# KiCad board st251n_20603.kicad_pcb (continued)
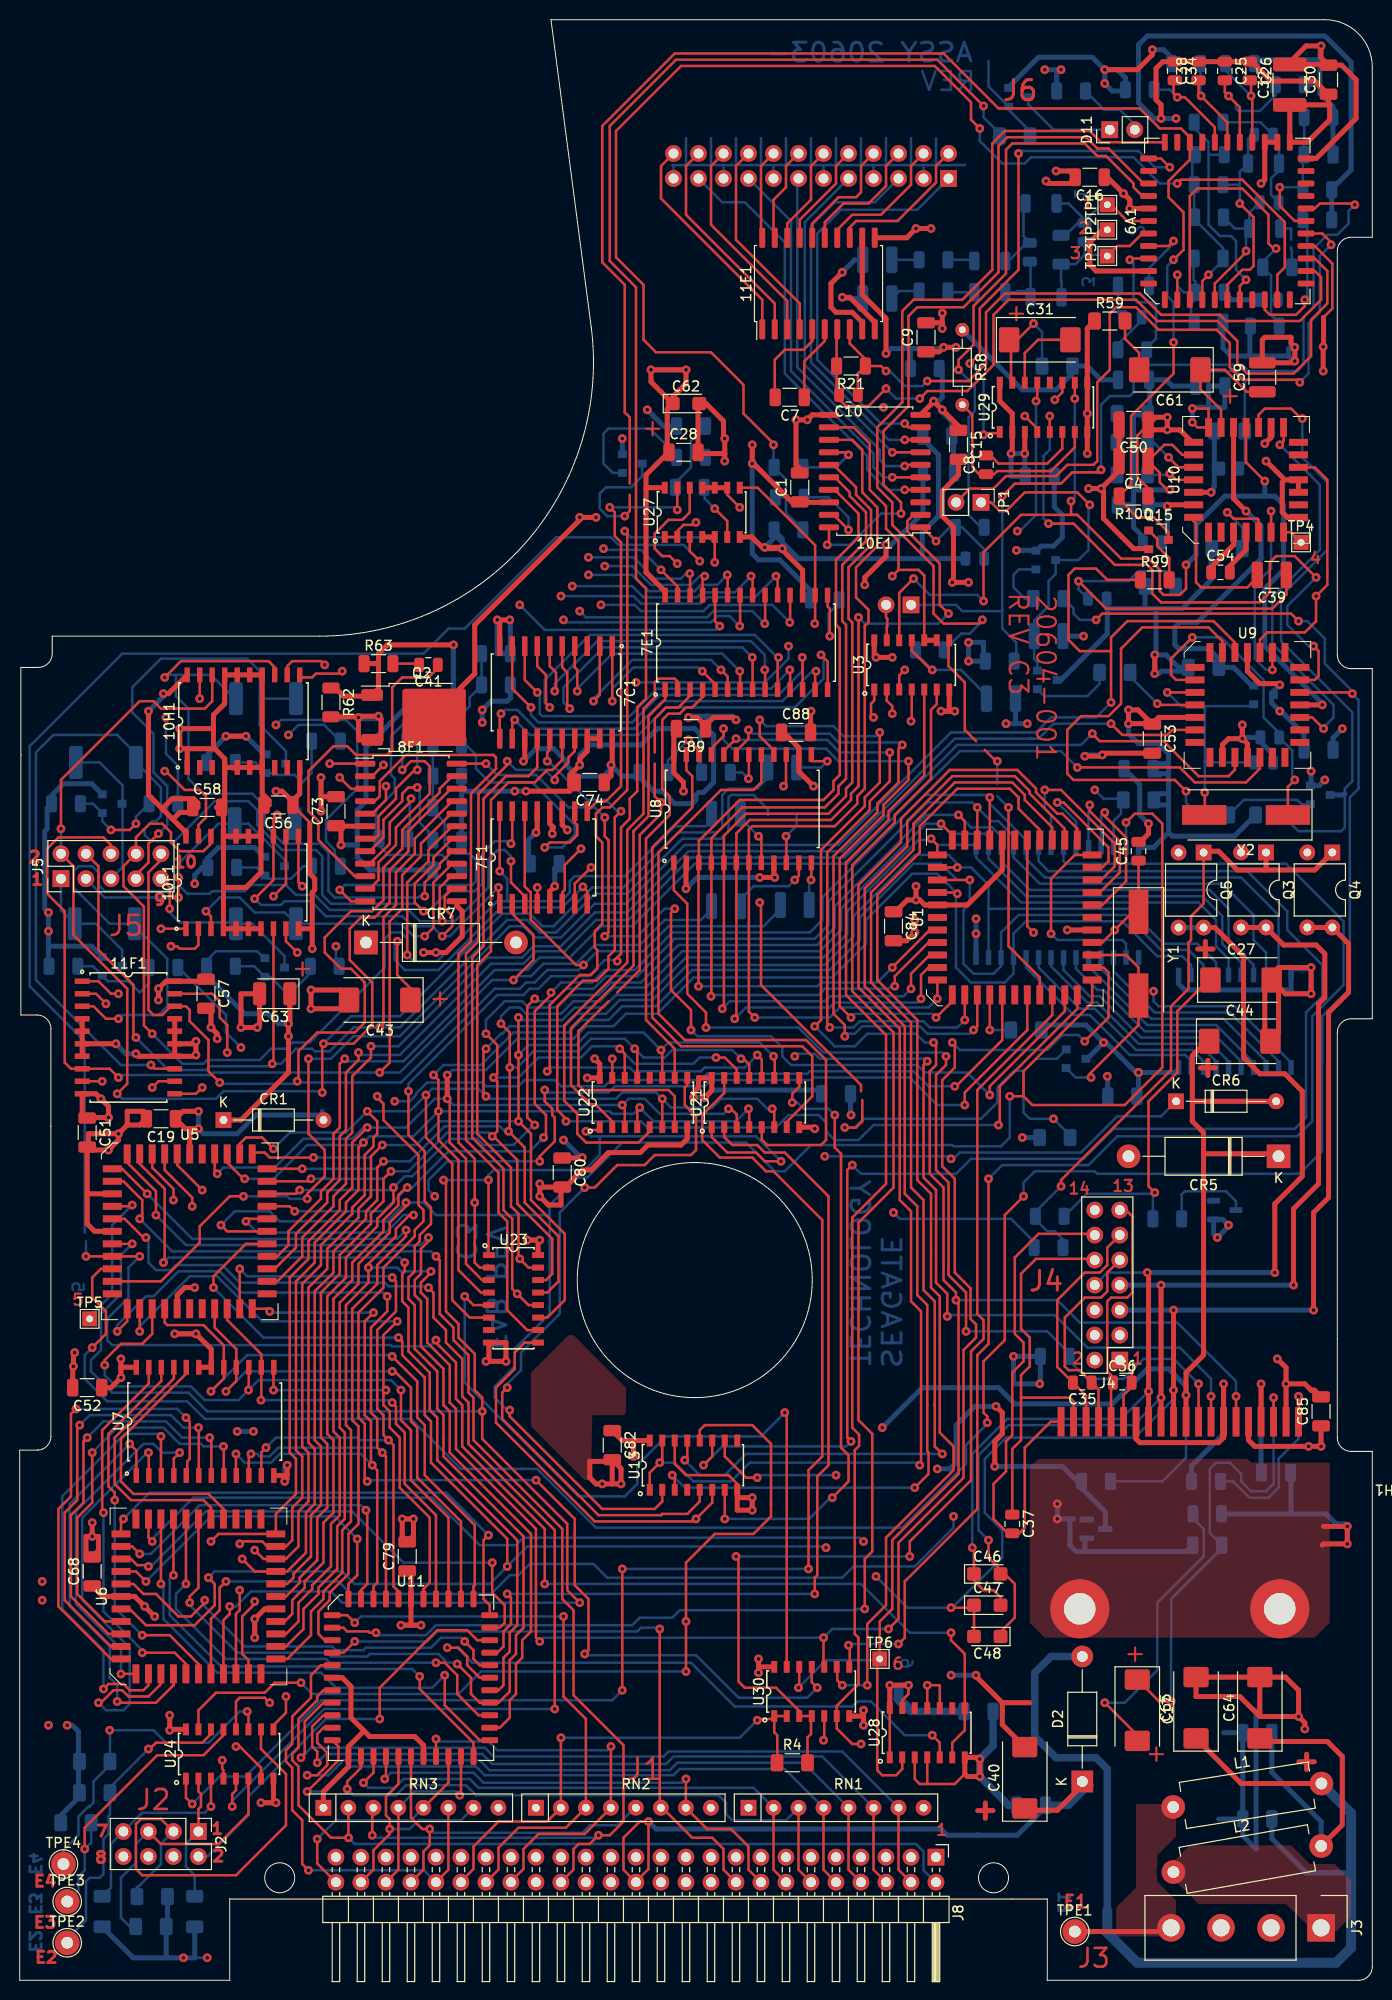
[diagram p0: board, top side]
## Routing (per net, layer and track width the routed paths; a pad name or vN(x,y) marks a point on that pad's centre or on a via; arc(x,y) is an arc through that point) (continued)
Net-(7F1-VREF): length 45.7
  Top w0.254: 7F1.10 56.39,117.6 56.64,117.35 56.64,116.33 55.88,115.57 53.85,115.57 v1(53.34,115.06) ; 8F1.7 36.07,115.95 36.45,116.33 36.45,118.24 38.23,120.02 38.23,121.03 40.13,122.94 v1(40.39,122.94)
  Bottom w0.254: v1(40.39,122.94) 40.39,126.87 40.64,127.13 43.69,127.13 46.36,124.46 46.36,123.06 47.75,121.67 52.07,121.67 56.39,117.35 56.39,116.33 55.12,115.06 v1(53.34,115.06)
Net-(8F1-COMP): length 35.9
  Top w0.254: 8F1.10 34.04,112.14 30.35,115.82 30.35,117.73 29.34,118.75 29.34,122.81 31.88,125.35 33.27,125.35 34.16,124.46 37.34,124.46 37.85,124.97 37.85,131.32 38.86,132.33 41.53,132.33 42.48,133.28 C41.1
Net-(8F1-DAC_SET): length 15.4
  Top w0.254: 8F1.8 35.56,114.68 36.96,116.08 36.96,117.86 38.86,119.76 38.86,120.52 39.5,121.16 v1(40.39,121.16)
  Bottom w0.254: R57.2 41.97,116.27 40.64,117.6 40.64,120.9 v1(40.39,121.16)
Net-(8F1-DRV): length 13
  Top w0.254: v1(39.75,120.02) 39.75,119.76 37.59,117.6 37.59,115.44 35.56,113.41 8F1.9
  Bottom w0.254: R79.2 39.44,117.03 39.62,117.22 39.62,119.89 v1(39.75,120.02)
Net-(8F1-FB): length 36.3
  Top w0.254: v1(38.86,122.94) 39.75,123.83 41.15,123.83 41.66,123.32 41.66,120.52 38.23,117.09 38.23,115.32 36.46,113.55 36.46,111.77 35.56,110.87 8F1.11
  Bottom w0.254: R60.2 R52.2 46.92,131.51 45.72,130.3 45.72,129.41 44.07,127.76 40.13,127.76 38.86,126.49 v1(38.86,122.94)
Net-(8F1-RING_SET): length 33.8
  Top w0.254: v1(32.51,110.74) 33.66,109.6 8F1.12
  Bottom w0.254: R56.1 41.97,119.14 C60.2 41.96,118.82 43.18,117.6 43.18,115.44 44.2,114.43 45.72,114.43 46.36,113.79 46.36,111.63 45.97,111.25 33.02,111.25 v1(32.51,110.74)
Net-(10E1-IWR1): length 9.2
  Top w0.254: 10E1.19 82.68,148.84 v1(84.2,147.32)
  Bottom w0.254: v1(84.2,147.32) 84.2,148.59 82.17,150.62 79.88,150.62 79.76,150.75
Net-(10E1-IWR2): length 7.2
  Top w0.254: 10E1.14 83.95,155.19 v1(84.2,154.94)
  Bottom w0.254: v1(84.2,154.94) 82.93,153.67 R1.1
Net-(10E1-VCTAP): length 9.5
  Top w0.254: 10E1.1 91.69,147.57 v1(93.09,146.18)
  Bottom w0.254: C3.2 97.98,145.35 95.76,147.57 R9.2 94.49,147.57 v1(93.09,146.18)
Net-(10E1-VHS): length 73.9
  Top w0.254: v1(89.53,148.97) 89.53,150.11 87.76,151.89 87.76,157.35 90.3,159.89 90.3,169.04 91.19,169.93 95.89,169.93 99.44,173.48 99.44,186.31 100.33,187.2 108.33,187.2 109.47,186.06 110.62,186.06 114.17,182.5 6A1.42 ; v1(82.04,145.8) 82.22,145.97 10E1.20
  Bottom w0.254: v1(82.04,145.8) 84.33,145.8 87.5,148.97 v1(89.53,148.97)
Net-(11E1-12V): length 25.4
  Top w0.508: C9.1 93.39,165.4 v1(93.85,165.86) v1(95.12,165.86) ; v1(88.01,165.23) 88.01,168.78 85.6,171.2 11E1.12
  Bottom w0.508: 90.42,165.74 93.73,165.74 v1(93.85,165.86) v1(95.12,165.86) ; 90.42,165.74 88.52,165.74 v1(88.01,165.23) ; 90.42,165.74 90.49,165.67 R1B1.2
Net-(11E1-DI+): length 67.8
  Top w0.254: R21.1 85.92,164.65 84.33,166.24 11E1.8 ; R21.1 87.5,163.96 v1(88.01,163.45) ; R21.1 85.15,163.19 C10.1 ; 6A1.19 131.57,173.61 132.21,172.97 132.21,170.69 130.05,168.53 122.56,168.53 121.92,169.16 115.95,169.16 113.79,171.32 100.08,171.32 98.17,169.42 98.17,164.21 96.39,162.43 v1(92.2,162.43)
  Bottom w0.254: v1(88.01,163.45) 88.39,163.45 89.92,161.93 91.69,161.93 v1(92.2,162.43)
Net-(11E1-DI-): length 80.9
  Top w0.254: 130.68,174.88 131.57,174.88 132.84,173.61 132.84,170.31 131.19,168.66 131.19,164.97 129.41,163.19 124.71,163.19 123.7,164.21 123.7,166.5 121.67,168.53 115.57,168.53 113.41,170.69 100.46,170.69 98.93,169.16 98.93,164.08 96.27,161.42 92.2,161.42 v1(91.44,160.66) ; v1(88.01,161.67) 86.23,159.89 83.95,159.89 83.25,160.59 C10.2 82.99,161.29 R21.2 82.99,167.62 11E1.7
  Bottom w0.254: v1(91.44,160.66) 89.03,160.66 v1(88.01,161.67)
Net-(11E1-DO+): length 7.2
  Top w0.508: 11E1.10 86.87,168.4 84.33,170.94 v1(83.57,170.94)
  Bottom w0.508: C12.1 83.69,170.81 v1(83.57,170.94)
Net-(11E1-DO-): length 11.2
  Top w0.508: 11E1.9 85.6,168.4 84.58,169.42 82.93,169.42 82.42,169.93 82.42,172.34 v1(83.57,173.48)
  Bottom w0.508: v1(83.57,173.48) 84.84,174.75 C11.1
Net-(11E1-GAIN+): length 7.8
  Top w0.254: 79.71,160.78 79.71,164.42 81.79,166.5 11E1.6
Net-(11E1-GAIN-): length 9.6
  Top w0.254: C7.2 76.71,160.83 76.71,164.59 77.72,165.61 79.63,165.61 80.52,166.5 11E1.5
Net-(11E1-HD1+): length 13.9
  Top w0.254: J6.4 90.55,184.28 90.55,182.37 87.5,179.32 84.58,179.32 83.06,177.8 11E1.14
Net-(11E1-HD1-): length 15.2
  Top w0.254: 11E1.13 84.33,178.05 84.96,178.69 89.17,178.69 93.09,182.61 93.09,184.28 J6.2
Net-(11E1-HD2+): length 12.2
  Top w0.254: J6.8 85.47,184.28 85.47,181.61 84.96,181.1 83.19,181.1 80.52,178.44 11E1.16
Net-(11E1-HD2-): length 13.1
  Top w0.254: J6.6 88.01,184.28 88.01,182.25 86.23,180.47 83.69,180.47 81.79,178.56 11E1.15
Net-(11E1-HD3+): length 10.1
  Top w0.254: J6.12 80.39,184.28 80.39,180.85 77.98,178.44 11E1.18
Net-(11E1-HD3-): length 10.6
  Top w0.254: J6.10 82.93,184.28 82.93,182.5 79.25,178.82 11E1.17
Net-(11E1-HD4+): length 9.1
  Top w0.254: J6.16 75.31,184.28 75.31,177.12 11E1.20
Net-(11E1-HD4-): length 9.7
  Top w0.254: 11E1.19 76.58,177.12 76.58,180.85 77.85,182.12 77.85,184.28 79.12,185.55
Net-(11E1-HD6+): length 22.6
  Top w0.254: 11E1.1 75.44,170.69 65.15,180.98 65.15,184.28 J6.24
Net-(11E1-HD6-): length 22.1
  Top w0.254: 11E1.2 76.71,170.31 67.69,179.32 67.69,184.28 68.96,185.55
Net-(C5-Pad1): length 13.8
  Top w0.254: U3.11 90.62,135.06 92.58,133.1 v1(92.71,133.1)
  Bottom w0.254: 98.35,130.05 98.35,130.38 95.63,133.1 v1(92.71,133.1) 90.99,134.81 R8.1
Net-(C11-Pad2): length 2.8
  Bottom w0.254: R22.2 C11.2
Net-(C12-Pad2): length 3.1
  Bottom w0.254: C12.2 89.36,171.58 R23.2
Net-(C13-Pad1): length 7.6
  Bottom w0.254: 100.13,174.62 100.46,174.62 102.3,176.46 C13.1 102.62,176.53 101.98,177.17 101.98,180.26 L6.1
Net-(C13-Pad2): length 6.6
  Bottom w0.254: C13.2 102.69,174.49 L7.1 102.69,170.99 102.11,171.58 101.35,171.58 101.22,171.45 100.13,171.45
Net-(C17-Pad2): length 30.2
  Top w0.254: v1(110.24,28.19) 113.54,24.89 C17.2
  Bottom w0.254: R49.2 119.19,46.93 120.27,45.85 120.27,43.05 115.57,38.35 115.57,31.5 112.27,28.19 v1(110.24,28.19)
Net-(C20-Pad1): length 3.4
  Bottom w0.254: C20.1 111.58,169.41 L8.2
Net-(C20-Pad2): length 4.1
  Bottom w0.254: 114.05,168.66 111.57,166.18 R25.2
Net-(C21-Pad1): length 3.9
  Bottom w0.508: C21.1 123.13,170.69 R28.2
Net-(C27-Pad1): length 37.5
  Top w0.254: v1(115.32,80.01) 114.68,80.65 114.68,89.28 117.6,92.2 117.6,98.43 120.78,101.6 C27.1
  Bottom w0.254: R65.2 108.4,79.88 115.19,79.88 v1(115.32,80.01) 115.12,79.82 R69.1
Net-(C39-Pad1): length 38.3
  Top w0.254: C39.1 128.68,140.75 127.25,139.32 110.36,139.32 v1(107.57,142.11)
  Bottom w0.254: C42.1 107.57,141.29 v1(107.57,142.11) 112.65,142.11 113.66,143.13 116.46,143.13 117.43,142.16 R48.1
Net-(C41-Pad2): length 2.7
  Top w0.254: R63.2 40.45,133.73 40.58,133.6
Net-(C61-Pad2): length 5.5
  Top w0.254: R59.2 112.29,166.73 113.73,165.29 C61.2
Net-(C67-Pad2): length 14.8
  Bottom w0.254: 127.89,179.83 127.88,179.84 C76.1 127.13,181.35 127.13,183.01 127.94,183.82 L10.2 127.94,186.83 C67.2 ; R31.2 126.04,188.72 C67.2 ; C67.2 127.76,187.45 127.94,187.27
Net-(C72-Pad1): length 8.9
  Bottom w0.254: 68.2,154.69 68.2,156.39 C72.1 ; 68.2,154.69 R78.1 ; 68.2,154.69 68.2,153.67 66.67,152.14 66.67,151.64
Net-(D1-K): length 9.4
  Bottom w0.254: R69.2 118.05,79.82 118.36,80.14 122.56,80.14 123.57,79.13 D1.3
Net-(D11-A): length 7
  Bottom w0.254: R84.1 110.11,190.06 110.11,189.99 111.76,189.99 113.28,188.47 D11.2
Net-(D11-K): length 10.1
  Bottom w0.254: Q13.3 102.47,190.52 105.03,187.96 D11.1
Net-(J2-Pin_1): length 13.1
  Top w0.254: 18.16,15.12 18.16,15.12 18.16,17.4 18.41,17.65 18.41,18.92 18.16,19.18 U24.2
  Bottom w0.254: 18.16,15.12 16.89,13.85 16.89,11.56 17.78,10.67 R86.1
Net-(J2-Pin_3): length 46.6
  Top w0.254: J2.3 14.35,16.38 12.32,16.38 11.81,15.88 11.81,11.3 12.45,10.67 21.97,10.67 27.05,15.75 27.05,20.96 24.51,23.5 24.51,25.49
  Bottom w0.254: J2.3 14.35,13.86 14.35,11.81 11.91,9.37 R88.1 11.91,9.5
Net-(J2-Pin_5): length 27.3
  Top w0.254: U24.6 23.24,16.89 20.19,13.84 14.35,13.84 J2.5
  Bottom w0.254: J2.5 13.07,15.1 11.81,13.84 11.81,11.94 10.29,10.41 10.29,6.35 11.18,5.46 R89.1
Net-(J2-Pin_7): length 20.3
  Top w0.254: 19.43,20.49 v1(19.43,17.65)
  Bottom w0.254: v1(19.43,17.65) 18.8,17.02 12.43,17.02 J2.7 9.27,13.86 9.27,9.42 R90.1
Net-(J3-Pin_4): length 9.9
  Top w0.508: 116.97,5.33 116.59,4.95 TPE1.1
Net-(J5-Pin_1): length 12.7
  Bottom w0.254: J5.1 4.19,108.71 R68.2 7.75,107.32 10.41,104.65 10.41,103.01 Q8.3
Net-(J5-Pin_3): length 28.2
  Top w0.254: v1(16.13,109.98) v1(16.13,112.01)
  Bottom w0.254: Q9.3 26.91,113.81 23.24,117.48 R68B1.2 20.19,117.48 16.13,113.41 v1(16.13,112.01) ; v1(16.13,109.98) 8.64,109.98 J5.3
Net-(J5-Pin_5): length 15.7
  Bottom w0.254: J5.5 10.45,113.07 10.45,121.37 8.13,123.7 R67.2
Net-(J5-Pin_7): length 51.2
  Top w0.254: v1(14.1,116.46) 13.08,115.44 13.08,113.54 11.81,112.27 J5.7
  Bottom w0.254: Q11.3 27.05,123.59 27.05,124.84 24.38,127.51 24.38,130.3 ; R81.2 24.51,130.18 24.38,130.3 ; 24.38,130.3 24.38,132.97 23.11,134.24 14.35,134.24 11.43,131.32 11.43,128.78 13.59,126.62 13.59,122.68 14.99,121.29 14.99,117.35 v1(14.1,116.46)
Net-(J5-Pin_9): length 18.5
  Top w0.254: J5.9 15.24,111 v1(15.24,108.84)
  Bottom w0.254: Q12.3 26.91,104.03 23.62,107.32 R67B1.2 21.84,107.44 16.26,107.44 15.24,108.46 v1(15.24,108.84)
Net-(J6-Pin_18): length 21.1
  Top w0.254: J6.18 72.77,184.28 72.77,176.78 79.25,170.31 11E1.4
Net-(J6-Pin_20): length 21.6
  Top w0.254: J6.20 70.23,184.28 70.23,178.31 77.98,170.56 11E1.3
Net-(JP2-B): length 3.7
  Top w0.254: U3.13 88.08,137.49 88.14,137.54 88.14,138.3 88.02,138.43 JP2.2
Net-(L4-Pad1): length 2.7
  Bottom w0.254: L4.1 96.85,174.75 R22.1
Net-(L5-Pad1): length 2.7
  Bottom w0.254: R23.1 94.43,171.45 L5.1
Net-(Q1-B): length 26.9
  Bottom w0.254: R61.2 44.45,112.78 42.93,114.3 37.47,114.3 36.51,115.25 R79.1 36.2,116.27 36.2,118.87 38.1,120.78 38.1,122.05 37.72,122.43 37.72,126.37 40.07,128.72 Q1.1
Net-(Q1-C): length 24.5
  Top w0.508: R62.1 32.07,131.26 32.89,130.43 35.68,130.43 36.45,131.19 36.45,133.73 ; v1(44.07,135.64) 37.34,135.64 36.45,134.75 36.45,133.73 ; R63.1 36.45,133.73
  Bottom w0.508: Q1.3 44.05,135.62 v1(44.07,135.64)
Net-(Q3-G): length 65.2
  Top w0.254: Q5.1 120.27,109.35 119,108.08 119,105.66 118.75,105.41 118.75,100.71 116.97,98.93 116.97,92.46 105.79,81.28 v1(105.79,80.65)
  Top w0.508: Q4.1 131.57,112.78 126.62,112.78 ; Q3.1 126.62,112.78 ; 126.62,112.78 123.7,112.78 121.79,114.68 120.41,114.68 Q5.1
  Bottom w0.254: R66.2 105.98,75.25 105.16,76.07 104.39,76.07 103.19,77.28 R65.1 103.19,78.04 v1(105.79,80.65)
Net-(Q6-B): length 9.2
  Bottom w0.254: R70.1 124.36,119.89 129.79,119.89 130.24,119.45 131.19,119.45
Net-(Q6-C): length 62.9
  Top w0.254: v1(130.3,158.62) 130.18,158.62 129.16,159.64 126.49,159.64 125.86,159 U10.21
  Bottom w0.254: v1(130.3,158.62) 130.3,154.69 132.84,152.15 132.84,145.29 128.14,140.59 128.14,136.02 135.38,128.78 135.38,121.79 134.62,121.03 134.62,117.09 134.24,116.71 129.92,116.71 128.65,117.98 R64.2
  Bottom w0.508: 133.07,120.4 134.49,120.4 134.62,120.52
Net-(Q7-B): length 28.3
  Top w0.254: v1(120.4,120.65) 120.4,118.42 Y2.2 ; U9.7 v1(116.59,130.81)
  Bottom w0.254: 120.4,123.83 v1(120.4,120.65) ; 120.4,123.83 120.4,129.41 ; 120.4,123.83 120.52,123.7 C69.1 ; 125.3,129.61 125.11,129.41 120.4,129.41 ; 120.4,129.41 117.98,129.41 v1(116.59,130.81)
Net-(Q8-B): length 10.3
  Bottom w0.254: R14.2 7.45,103 Q8.1 8.97,101.47 11.05,101.47 12.19,100.33 13.14,101.28 R15.2
Net-(Q9-B): length 8.6
  Bottom w0.254: R17.2 24.09,113.03 Q9.1 25.23,111.89 27.56,111.89 28.83,113.16 R16.2
Net-(Q10-B): length 10.1
  Top w0.254: v1(9.27,116.84) 11.18,116.84 v1(11.81,117.48)
  Bottom w0.254: R20.2 7.45,119.51 Q10.1 8.4,117.71 v1(9.27,116.84) ; v1(11.81,117.48) 11.81,118.18 R18.2
Net-(Q11-B): length 12.2
  Bottom w0.254: R36.2 29.65,122.62 28.7,121.67 27.94,122.43 25.78,122.43 25.59,122.62 Q11.1 23.96,123.7 R37.2
Net-(Q12-B): length 10.2
  Bottom w0.254: R39.2 29.53,102.3 27.56,100.33 27.05,100.33 25.46,101.92 Q12.1 23.83,103 R38.2
Net-(Q13-B): length 9.4
  Bottom w0.254: 98.42,194.95 98.42,192.36 Q13.1 100.47,189.98 102.64,187.81 R76.2
Net-(Q14-B): length 21.4
  Top w0.254: U1.20 112.4,104.14 113.66,102.87 Y1.2 113.66,97.03 108.71,92.08 108.71,91.82
  Top w0.508: 108.71,91.82 v1(108.84,91.69)
  Bottom w0.254: 106.31,92.65 107.27,91.69 v1(108.84,91.69)
Net-(Q15-B): length 5.9
  Top w0.254: Q15.1 115.57,146.38 115.57,145.67 116.78,144.46 R99.2
Net-(Q16-B): length 6.3
  Bottom w0.254: Q16.1 101.52,143.3 100.97,142.75 100.97,141.48 102.11,140.34 R71.1
Net-(Q17-B): length 8.3
  Bottom w0.254: R73.1 109.7,131.67 108.46,130.43 104.09,130.43 Q17.1
Net-(Q18-B): length 14.3
  Bottom w0.254: Q18.1 60.26,153.1 59.31,154.05 59.31,157.1 59.82,157.61 64.01,157.61 66.74,154.88 R78.2
Net-(R43-Pad2): length 6.2
  Bottom w0.254: R45.2 R43.2
Net-(U1-XTAL1): length 11.2
  Top w0.254: C45.1 Y1.1 113.09,108.52 v1(111.25,106.68) 109.98,105.41 U1.21
Net-(U3-Pad5): length 116.8
  Top w0.254: v1(85.47,24) 84.58,24 83,25.58 U30.6 83,27.89 85.22,30.1 85.22,34.8 84.84,35.18 84.84,53.85 85.28,54.29 85.28,55.44 84.58,56.13 84.58,77.47 86.36,79.25 ; 86.36,79.25 86.23,79.12 ; 86.36,79.25 88.01,80.9 88.01,96.01 83.95,100.08 83.95,113.54 88.27,117.86 88.27,118.75 91.89,122.37 U3.5
Net-(U4-~{OE}): length 147.8
  Top w0.254: v1(84.2,34.04) 84.33,33.91 84.33,31.89 U30.8 ; v1(89.28,34.16) 89.92,34.8 89.92,40.51 97.28,47.88 97.28,63.5 98.42,64.64 v1(98.42,81.41)
  Bottom w0.254: v1(98.42,81.41) 99.82,82.8 108.59,82.8 111.51,85.73 129.79,85.73 131.32,87.25 131.32,97.92 134.49,101.09 134.49,107.57 128.65,113.41 106.3,113.41 106.04,113.67 U4.22 ; v1(84.2,34.04) 84.33,34.16 v1(89.28,34.16)
Net-(U5-OUTPUT): length 15.4
  Top w0.254: U5.10 11.3,78.61 v1(11.43,78.74)
  Bottom w0.254: TP5.1 7.11,67.44 9.4,69.72 9.4,76.71 v1(11.43,78.74)
Net-(U8-FOUR/~{TWO}): length 6.1
  Top w0.254: U8.22 69,124.93 v1(67.95,125.98)
  Bottom w0.254: v1(67.95,125.98) 65.85,123.89 R6.2
Net-(U8-IREF): length 4.6
  Top w0.254: v1(74.04,122.05) 74.08,122.08 U8.18
  Bottom w0.254: v1(74.04,122.05) 73.41,122.68 R7.1
Net-(U8-~{MOTA}): length 4.4
  Top w0.254: U8.12 80.43,111.8 v1(80.39,111.76)
  Bottom w0.254: v1(80.39,111.76) 80.2,111.57 R19.2
Net-(U8-~{MOTB}): length 5.6
  Top w0.254: U8.13 80.43,123.92 80.52,123.83 v1(82.04,123.83)
  Bottom w0.254: R33.2 81.41,123.19 v1(82.04,123.83)
Net-(U8-~{MOTC}): length 5.3
  Top w0.254: v1(77.85,116.21) 77.89,116.17 U8.10
  Bottom w0.254: v1(77.85,116.21) 78.93,117.29 78.93,118.36
Net-(U8-~{MOTD}): length 8.9
  Top w0.254: v1(78.74,111.76) 79.16,112.18 U8.11
  Bottom w0.254: v1(78.74,111.76) 78.11,111.12 74.55,111.12 73.22,109.79 R13.2
Net-(U8-~{MOTE}): length 5.9
  Top w0.254: U8.8 75.35,115.92 v1(75.06,116.21)
  Bottom w0.254: v1(75.06,116.21) 73.22,118.04 R10.2
Net-(U9-OSC_IN): length 31.7
  Top w0.254: v1(129.54,121.92) 128.84,121.22 Y2.1 ; v1(119.13,136.4) 116.97,134.24 116.97,132.59 117.47,132.08 U9.6
  Bottom w0.254: v1(129.54,121.92) 129.29,122.17 129.29,124.9 C49.1 127.95,126.69 126.37,128.27 126.37,132.08 122.05,136.4 v1(119.13,136.4)
Net-(U10-AVCC): length 53.8
  Top w0.254: v1(116.84,151.38) 116.59,151.38 115.82,152.15 115.82,153.11 C4.1 116.28,155.96 117.09,155.96 118.11,154.94 U10.27
  Bottom w0.254: C90.1 124.46,154.12 R74.1 124.46,162.56 123.57,163.45 121.02,163.45 C91.1
  Bottom w0.508: R47.1 113.16,149.86 ; 113.16,149.86 113.16,151.38 ; 113.16,149.86 113.16,147.57 114.11,146.62 C29.1 ; 113.16,151.38 113.16,159 114.81,159 114.81,162.48 L3.1 116.46,162.56 117.09,161.93 C91.1 ; 113.16,151.38 v1(116.84,151.38)
Net-(U10-C1): length 5
  Top w0.508: U10.7 123.32,145.8 121.04,143.52 C54.1
Net-(U10-C2): length 4.8
  Top w0.508: U10.8 124.59,145.29 122.94,143.64 C54.2
Net-(U10-CPOUT): length 13.8
  Top w0.254: C39.2 125.73,142.49 124.71,141.48 120.02,141.48 119.51,141.99 119.51,147.96 119.26,148.2 U10.4
Net-(U10-IBSET): length 8.8
  Top w0.508: v1(121.03,151.13) U10.2
  Bottom w0.508: R74.2 121.36,153.42 ; 121.36,153.42 121.49,153.54 C90.2 ; 121.36,153.42 121.36,151.71 121.28,151.64 121.28,151.38 v1(121.03,151.13)
Net-(U10-IRSET): length 8.7
  Top w0.508: v1(116.59,149.73) 116.71,149.86 U10.3
  Bottom w0.508: R47.2 116.46,149.86 v1(116.59,149.73) 116.59,146.43 116.21,146.05 C29.2
Net-(U10-PCT): length 2.2
  Top w0.254: U10.11 129.15,147.08 TP4.1
Net-(U10-PG2): length 5
  Top w0.254: U10.1 117.47,152.4 v1(116.84,153.04)
  Bottom w0.254: R43.1 116.71,152.91 v1(116.84,153.04)
Net-(U10-PG3): length 13.9
  Top w0.254: C59.1 124.66,161.34 122.43,163.58 C61.1 119.95,161.61 122.05,159.51 U10.24
Net-(U10-PG4): length 5.7
  Top w0.254: U10.28 117.73,153.67 v1(116.71,154.69)
  Bottom w0.254: R44.1 115.19,156.21 v1(116.71,154.69)
Net-(U10-RVCO): length 9.1
  Top w0.254: U10.9 125.86,148.34 125.74,148.45 123.33,148.45 v1(122.68,149.1)
  Bottom w0.254: v1(122.68,149.1) 124.21,147.57 R75.2
Net-(U11-~{OE}?): length 156.7
  Top w0.254: U3.6 93.16,129.61 92.58,129.03 92.58,122.05 88.9,118.36 88.9,117.6 84.58,113.28 84.58,100.46 88.77,96.27 88.77,80.52 86.68,78.42 ; 86.68,78.42 86.61,78.36 ; 86.68,78.42 85.22,76.96 85.22,56.9 86.61,55.5 86.61,43.56 85.85,42.8 v1(85.85,37.72) ; v1(36.2,35.31) 35.56,35.31 35.43,35.43 33.27,35.43 32.89,35.81 U11.8
  Bottom w0.254: v1(36.2,35.31) 36.45,35.05 41.28,35.05 42.29,36.07 62.23,36.07 62.99,36.83 66.29,36.83 67.06,37.59 84.96,37.59 85.09,37.72 v1(85.85,37.72)
Net-(U13-Q3b): length 92.5
  Top w0.254: 76.33,48.39 76.33,48.26 ; 76.33,48.39 76.33,54.48 74.42,56.39 69.6,56.39 69.09,55.88 U13.12 ; 76.33,48.39 76.33,47.12 74.55,45.34 70.61,45.34 67.69,42.42 v1(67.69,36.45) v1(67.69,31.37) ; v1(28.58,30.23) 25.91,30.23 24.89,29.21 19.94,29.21 18.16,27.43 U24.15
  Bottom w0.254: v1(28.58,30.23) 29.72,29.08 44.58,29.08 46.86,31.37 v1(67.69,31.37)
Net-(U21-Q4): length 100.5
  Top w0.254: v1(53.59,92.33) 53.85,92.58 53.85,99.06 56.9,102.11 58.04,102.11 58.67,102.74 58.67,104.65 58.42,104.9 58.42,106.55 59.18,107.32 59.18,115.57 58.55,116.21 58.55,118.49 59.18,119.13 59.94,119.13 61.72,120.9 61.72,146.94 v1(61.47,147.19) ; U21.12 75.38,93.53 v1(74.93,93.98) ; v1(70.61,144.02) U27.5
  Top w0.508: U27.4 U27.5
  Bottom w0.254: v1(61.47,147.19) 62.1,146.56 69.98,146.56 70.61,145.92 v1(70.61,144.02) ; v1(53.59,92.33) 53.97,92.71 61.98,92.71 62.36,92.33 69.22,92.33 69.6,92.71 73.66,92.71 v1(74.93,93.98)
Net-(U21-Q5): length 141.4
  Top w0.254: v1(80.14,41.78) 80.14,51.82 81.53,53.21 81.53,77.22 76.58,82.17 75.82,82.17 74.42,83.57 71.12,83.57 69.34,85.34 69.34,87.88 71.57,90.12 U21.15 ; v1(61.21,41.78) v1(61.21,29.46) ; v1(17.53,17.91) 16.89,18.54 U24.1
  Bottom w0.254: v1(61.21,29.46) 60.2,28.45 30.67,28.45 22.92,20.7 20.32,20.7 v1(17.53,17.91) ; v1(80.14,41.78) v1(61.21,41.78)
Net-(U23-Q1): length 79.4
  Top w0.254: U23.5 46.1,68.58 v1(45.21,69.47) ; v1(77.72,57.66) 77.92,57.46 U30.13
  Bottom w0.254: v1(45.21,69.47) 45.21,60.71 56.77,49.15 61.47,49.15 62.74,50.42 62.74,52.32 65.66,55.25 75.31,55.25 v1(77.72,57.66)
Net-(U24-I0c): length 31.1
  Top w0.254: 19.43,25.49 19.43,25.02 18.54,24.13 13.84,24.13 13.21,23.5 v1(13.08,23.5)
  Bottom w0.254: TPE2.1 4.83,4.19 6.73,6.1 6.73,10.03 7.11,10.41 8.13,10.41 8.51,10.8 8.51,14.35 9.02,14.86 9.02,16.64 9.17,16.79 R91.2 9.17,19.58 v1(13.08,23.5)
Net-(U24-I0d): length 33.3
  Top w0.254: U24.11 23.24,27.18 v1(23.11,27.31)
  Bottom w0.254: v1(23.11,27.31) 22.35,27.31 19.18,24.13 14.86,24.13 13.59,25.4 v1(9.14,25.4) 9.17,25.37 R93.2 9.17,21.87 7.49,20.19 7.49,18.03 7.11,17.65 6.98,17.65 5.97,16.64 5.97,14.73 4.45,13.21 TPE4.1
Net-(U24-I1c): length 29.8
  Top w0.254: v1(6.6,13.34) 6.6,15.49 13.97,22.86 18.67,22.86 20.7,24.89 U24.13
  Bottom w0.254: R92.2 7.27,14 v1(6.6,13.34) 6.6,11.18 5.97,10.54 5.97,9.14 TPE3.1
Net-(U27-Pad10): length 5.1
  Top w0.254: U27.9 71.88,150.88 v1(73.15,149.61)
  Top w0.508: U27.11 U27.9
Net-(U29A-Cext): length 7.7
  Top w0.254: 106.24,166.62 103.46,166.62 102.11,165.27 U29.14
Net-(U29A-RCext): length 12.8
  Top w0.254: 100.01,166.62 101.35,166.62 v1(103,168.28) ; U29.15 100.71,162.39 100.71,166.58 100.76,166.62
  Bottom w0.254: R40.2 103.86,167.41 v1(103,168.28)
Net-(U29B-Cext): length 10.4
  Top w0.254: U29.6 105.92,155.58 104.39,154.05 99.44,154.05 98.62,154.87 C8.2
Net-(U29B-RCext): length 20.2
  Top w0.254: U29.7 107.19,155.7 104.78,153.29 99.31,153.29 99,152.97 C8.1 97.47,152.97 96.77,153.67 96.77,159 R58.2
unconnected-(C24-Pad2): length 2.1
  Bottom w0.254: C24.2 129.24,175.69 129.16,175.77 129.16,176.02
unconnected-(L9-Pad2): length 3.4
  Bottom w0.254: 128.02,179.07 128.07,179.02 128.07,177.93 129.16,177.93 129.16,176.78
unconnected-(Q18-C-Pad3): length 13.1
  Top w0.254: v1(61.47,148.72) 61.98,149.23 61.98,150.88
  Bottom w0.254: Q18.3 63.23,152.77 62.1,151.64 59.56,151.64 58.93,151 58.93,149.48 59.69,148.72 v1(61.47,148.72)

## Copper pours and planes (outline as drawn; the poured copper is in the pictures)
+5V on In2.Cu: 17.4,106.05 17.4,92.2 12.19,92.2 6.98,97.41 6.98,98.81 11.68,98.81 11.68,103.38 14.35,106.05
+5V on In2.Cu: 110.24,24.89 36.07,24.89 32.26,28.7 27.69,28.7 27.18,29.21 27.18,38.35 22.1,43.43 18.54,43.43 10.16,51.82 10.16,56.9 14.73,61.47 14.73,68.83 17.27,71.37 17.27,79.5 26.16,79.5 29.97,83.31 29.97,88.9 33.53,88.9 48.01,103.38 48.01,113.54 55.12,113.54 55.12,119.13 45.97,119.13 45.97,124.97 36.58,124.97 33.02,121.41 31.5,121.41 31.5,134.87 33.78,134.87 35.56,135.13 36.32,135.38 38.35,135.89 41.4,136.91 45.47,137.92 54.61,147.07 62.23,147.07 62.99,146.3 62.99,134.62 64.26,133.35 64.26,120.9 66.8,118.36 66.8,113.54 74.68,105.66 82.04,105.66 88.9,98.81 88.9,80.77 91.44,78.23 91.44,68.07 92.2,67.31 92.2,56.39 93.98,54.61 93.98,47.5 96.52,44.96 98.04,44.96 103.63,39.37 103.63,34.54 104.14,34.04 109.47,34.04 110.24,33.27
+5V on In2.Cu: 132.59,197.87 133.86,197.36 134.62,196.6 135.64,195.33 135.89,194.56 135.89,178.31 133.86,178.31 132.59,177.04 132.59,134.37 132.84,133.35 133.6,132.33 134.43,131.83 135.38,131.57 135.89,131.57 135.89,99.06 134.62,99.06 132.84,97.28 132.84,54.1 134.62,52.32 135.64,52.32 135.64,1.27 105.16,1.27 105.16,9.14 102.36,9.14 102.11,9.4 102.11,13.46 101.6,13.97 96.52,13.97 96.01,13.46 96.01,9.14 28.96,9.14 28.96,13.21 28.7,13.46 23.88,13.46 23.37,12.95 23.37,9.14 20.83,9.14 20.32,8.64 20.32,1.02 1.52,1.02 1.52,14.99 15.24,14.99 17.53,17.27 43.94,17.27 45.47,18.8 49.28,18.8 50.8,17.27 67.06,17.27 68.33,18.54 71.63,18.54 73.15,17.02 89.15,17.02 90.68,18.54 92.2,18.54 93.98,16.76 103.38,16.76 106.68,13.46 117.86,13.46 120.9,10.41 132.33,10.41 134.11,12.19 134.11,15.49 132.59,17.02 128.78,17.02 119.38,26.42 119.38,43.18 124.97,48.77 124.97,55.88 128.27,55.88 128.78,56.39 128.78,63.75 120.65,63.75 120.65,57.4 100.08,57.4 100.08,80.01 112.52,80.01 114.81,82.3 114.81,84.33 109.98,89.15 102.11,89.15 102.11,94.74 111.51,104.14 111.51,113.03 106.17,118.36 101.09,118.36 91.19,108.46 88.65,108.46 88.65,118.62 75.44,118.62 71.88,122.17 71.88,132.59 76.2,136.91 87.12,136.91 87.38,137.16 87.38,142.24 86.36,143.26 77.47,143.26 77.47,148.59 72.39,153.67 72.39,157.73 72.01,158.12 72.01,166.24 59.18,166.24 55.12,197.36 55.63,197.87
+5V on In2.Cu: 16.26,22.86 22.1,22.86 26.92,27.69 24.89,27.69 24.89,39.37 22.86,41.4 17.53,41.4 11.43,47.5 10.67,47.5 10.67,36.83 14.48,33.02 14.48,24.64
+12V on In2.Cu: 131.57,10.92 121.41,10.92 118.36,13.97 106.93,13.97 102.87,18.03 93.73,18.03 92.46,19.3 90.42,19.3 89.15,18.03 72.9,18.03 71.88,19.05 68.07,19.05 67.06,18.03 50.8,18.03 49.53,19.3 41.15,19.3 39.88,18.03 16.76,18.03 14.22,15.49 1.52,15.49 1.52,53.09 2.29,53.09 3.81,54.61 3.81,64.01 4.57,64.77 4.57,84.07 20.32,84.07 25.15,88.9 25.15,92.2 37.85,104.9 37.85,109.22 35.56,111.51 26.42,111.51 26.42,115.82 30.99,120.4 33.02,120.4 36.83,124.21 45.21,124.21 45.21,118.36 54.61,118.36 54.61,114.3 47.24,114.3 47.24,103.89 33.02,89.66 29.97,89.66 28.96,88.65 28.96,83.57 25.91,80.52 14.99,80.52 14.22,79.76 14.22,71.12 12.45,69.34 12.45,62.23 8.13,57.91 8.13,50.8 9.65,49.28 9.65,36.07 13.21,32.51 13.21,24.13 15.75,21.59 23.62,21.59 29.72,27.69 31.5,27.69 35.56,23.62 111.51,23.62 111.51,33.53 98.81,46.23 97.28,46.23 95,48.51 95,54.86 93.22,56.64 93.22,68.07 92.46,68.83 92.46,78.49 89.66,81.28 89.66,99.06 82.3,106.43 74.93,106.43 67.31,114.05 67.31,119.38 64.77,121.92 64.77,133.86 63.5,135.13 63.5,146.3 62.23,147.57 54.61,147.57 56.39,150.11 57.91,153.42 59.18,157.48 59.18,165.86 71.63,165.86 71.63,157.99 72.14,157.48 72.14,153.42 76.71,148.84 76.71,142.49 85.85,142.49 86.61,141.73 86.61,137.67 75.44,137.67 71.12,133.35 71.12,121.67 75.18,117.6 87.88,117.6 87.88,107.44 91.44,107.44 101.6,117.6 106.17,117.6 111,112.78 111,104.9 101.09,95 101.09,88.39 109.73,88.39 114.05,84.07 114.05,83.06 112.01,81.03 99.31,81.03 99.31,56.64 121.41,56.64 121.41,62.99 127.76,62.99 127.76,56.9 123.95,56.9 123.95,49.28 118.62,43.94 118.62,25.91 128.27,16.26 132.08,16.26 133.35,14.99 133.35,12.7
+12VA on In2.Cu: 91.31,158.88 101.6,159 101.6,162.31 105.16,165.86 105.41,165.86 115.06,175.51 115.06,182.63 113.03,184.66 106.17,184.66 106.17,180.09 98.04,166.37 91.95,163.7 86.11,163.7
GND on Top: 58.04,50.8 57.4,50.8 51.94,56.26 51.94,61.72 55.75,65.53 56.26,65.53 61.59,60.2 61.59,57.66 61.34,57.4 58.17,57.4
GND on Top: 103.5,52.96 124.71,52.96 125.09,52.58 133.1,52.58 133.1,36.32 131.57,34.8 104.14,34.8 102.62,36.32 102.62,52.2
GND on Bottom: 70.61,159.13 65.15,159.13 63.75,160.53 60.58,160.53 59.18,167.39 57.91,179.07 55.12,197.36 55.63,197.87 75.69,197.87 75.69,194.31 90.68,194.31 90.93,194.06 90.93,192.02 92.2,190.75 95,190.75 95.76,189.99 95.76,187.96 99.82,183.9 102.62,183.9 103.38,184.66 112.78,184.66 115.7,181.61 116.84,181.61 117.98,180.72 117.98,178.05 117.6,177.55 116.84,177.55 114.81,175.77 112.4,175.77 112.4,173.99 111.89,173.48 110.74,173.48 110.24,172.97 110.24,166.37 109.22,165.35 102.87,165.35 102.87,162.69 99.82,162.69 95,167.39 92.2,167.39 91.44,166.62 87.38,166.62 85.6,164.85 76.33,164.85 76.33,161.42 78.11,161.42 80.52,159 80.52,155.7 78.49,155.7 76.96,157.23 74.04,157.23 73.53,156.72 73.53,153.92 71.25,153.92 71.25,158.5
GND on Bottom: 61.09,50.17 57.28,50.17 50.93,56.52 50.93,59.56 56.39,65.02 63.5,58.04 61.09,55.63
GND on Bottom: 127.38,4.45 121.28,4.45 119,6.73 112.9,6.73 112.65,6.86 112.14,7.37 112.14,21.72 110.24,23.62 106.04,23.62 106.04,31.37 109.98,31.37 109.98,33.4 108.97,34.42 104.52,34.42 103.12,35.81 103.12,39.5 106.04,42.42 111.63,42.42 114.94,39.12 114.94,32.39 111.63,29.21 109.85,29.21 109.22,28.58 109.22,27.31 109.85,26.67 116.97,26.67 118.11,27.81 118.11,36.58 125.22,43.56 129.29,43.56 136.14,36.7 136.14,23.75 134.37,23.75 131.19,26.92 122.17,26.92 122.17,14.1 123.82,12.45 126.37,12.45 127.51,11.05 127.51,4.57
GND on Bottom: 136.14,31.88 136.14,23.75 134.37,23.75 131.7,26.42 130.81,25.53 130.3,26.04
GND on Bottom: 2.54,25.78 5.08,25.78 5.08,26.92 6.48,26.92 6.86,27.31 6.86,29.21 7.75,30.1 7.75,33.53 4.32,36.96 2.79,36.96 2.79,40.64 1.52,40.64 1.52,36.96 1.14,36.96 0.76,36.58 0.76,27.43 1.14,27.05 2.54,27.05
GND on In1.Cu: 1.52,1.52 20.32,1.52 20.32,9.14 20.83,9.65 23.37,9.65 23.37,13.46 23.88,13.97 28.45,13.97 28.96,13.46 28.96,9.4 96.01,9.4 96.01,13.46 96.52,13.97 101.6,13.97 102.11,13.46 102.11,9.4 104.39,9.4 104.9,8.89 104.9,1.27 135.64,1.27 135.64,52.32 133.6,53.34 132.59,55.37 132.59,97.03 133.35,98.55 134.87,99.31 135.64,99.31 135.64,131.83 133.6,132.59 132.84,134.62 132.84,176.28 133.6,177.8 135.13,178.56 135.89,178.56 135.89,194.56 134.87,196.6 132.84,197.61 61.72,197.61 60.2,196.09 60.96,193.55 59.69,192.02 56.9,189.23 59.69,168.4 59.94,163.58 59.94,163.32 57.15,151.38 50.55,142.49 41.4,136.91 31.5,134.87 4.57,134.87 4.06,134.37 4.06,133.1 2.79,131.83 1.52,131.83 1.27,131.57 1.27,99.06 4.57,95.76 4.57,55.37 1.52,52.32
VAA on In2.Cu: 24.38,92.71 36.83,105.16 36.83,108.71 34.8,110.74 26.42,110.74 26.42,115.82 30.99,120.4 30.99,134.87 4.57,134.87 4.06,133.1 3.05,132.08 1.27,131.57 1.27,99.31 3.05,99.31 4.06,98.81 4.57,97.54 4.57,84.84 19.81,84.84 24.38,89.41
Net-(J3-Pin_1) on Top: 135.25,6.48 135.25,10.16 133.6,11.81 131.06,11.81 129.16,13.72 118.87,13.72 116.71,11.56 116.71,10.8 119.76,7.75 128.65,7.75 131.44,4.95 133.73,4.95
Net-(J3-Pin_4) on Top: 111.38,4.45 111.38,7.37 113.41,9.4 113.41,17.91 117.47,17.91 117.47,14.61 115.57,12.7 115.57,10.03 117.47,8.13 117.47,4.45

## Text on the board
Bottom: 5 | 6 | 1 | 3 | 2 | 4 | E4 | E3 | E2 | E1 | TECHNOLOGY | REV | ASSY 20603- | C3 | FAB REV | SEAGATE
User.Drawings: TOP LAYER | BOTTOM LAYER | This work is licensed under a Creative Commons / Attribution-ShareAlike 4.0 International License. / See https://creativecommons.org/licenses/by-sa/4.0/. | ASSY 20603 / Reverse Engineered by Tube Time | ST-251N
Top: 14 | 2 | 13 | 1 | 5 | 6 | 3 | 4 | E4 | E3 | E2 | 8 | 7 | 9 | 10 | E1 | + | REV C3 | 20604-001 | J3 | J4 | J5 | J2 | J6 | J1
